# KiCad board FrontEnd_5G.kicad_pcb (continued)
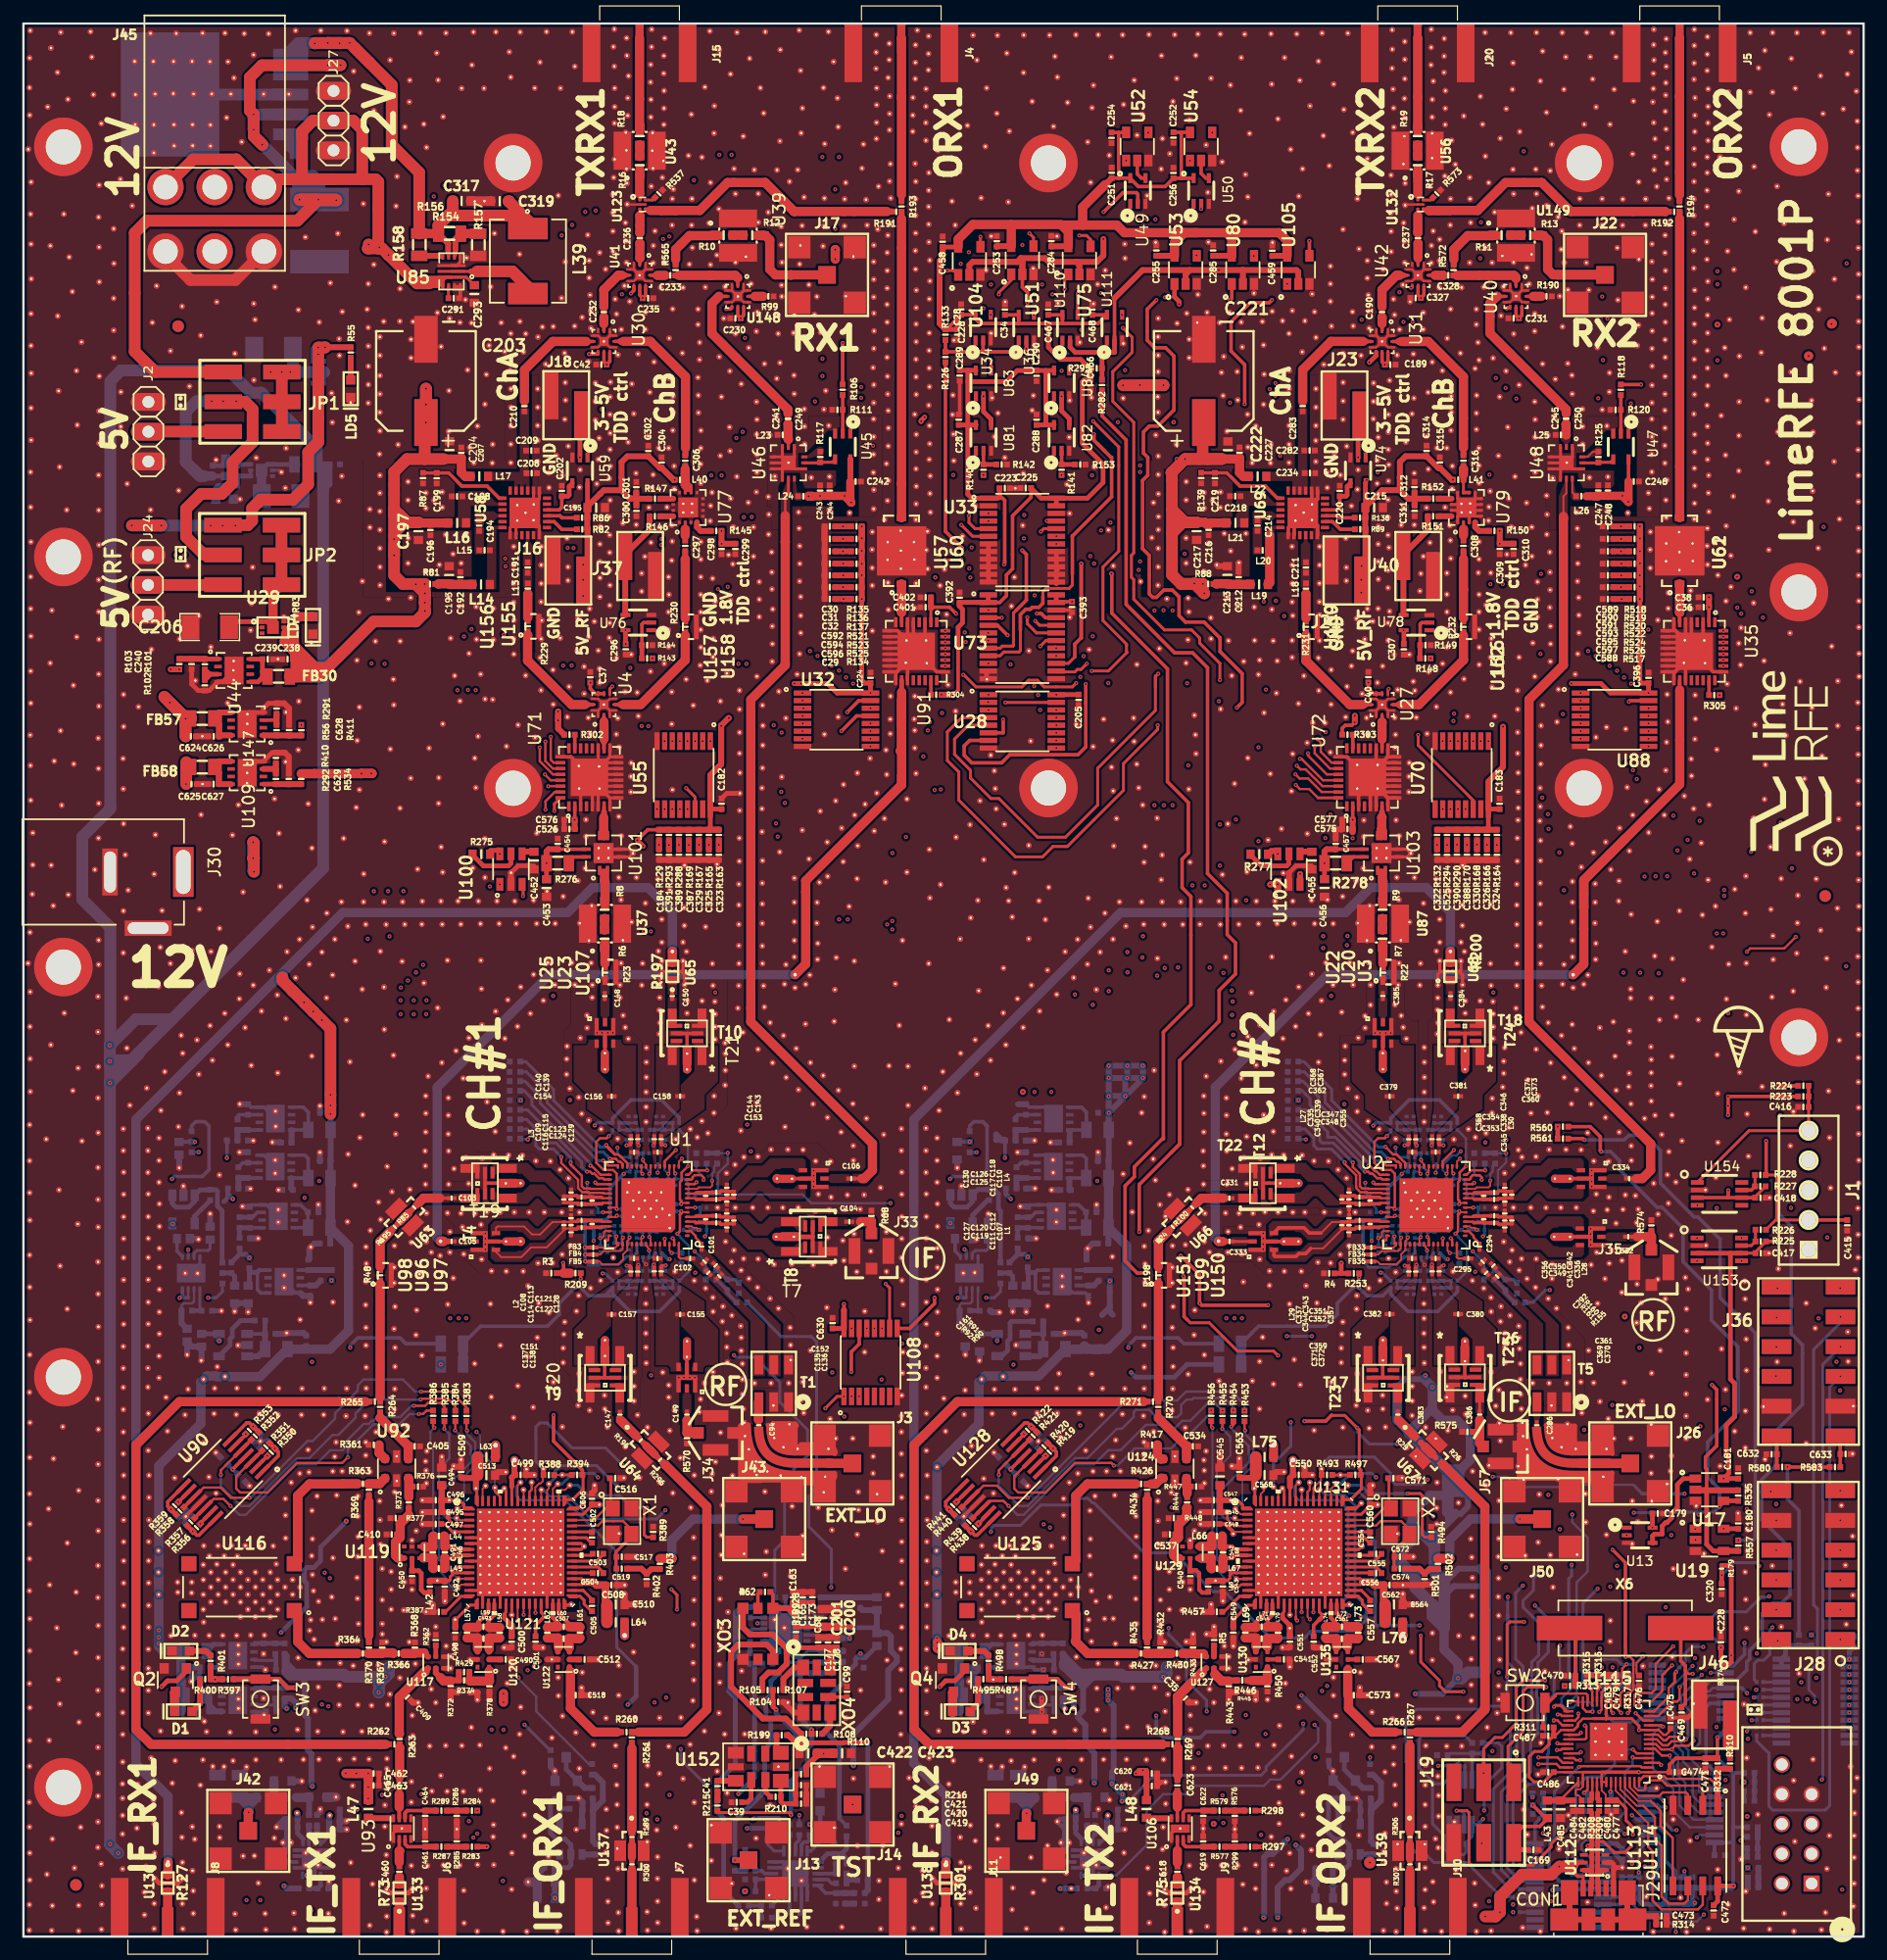
[diagram p0: board, top side]
## Routing (per net, layer and track width the routed paths; a pad name or vN(x,y) marks a point on that pad's centre or on a via; arc(x,y) is an arc through that point) (continued)
  B.FR4 w0.25: v1(82.39,110.61) 82.39,110.61 ; 91.31,111.2 v1(91.31,110.97)
  B.FR4 w0.3: v1(91.43,117.18) 91.31,117.06 91.31,111.2 ; 100.3,138.45 100.97,137.78 100.97,137.17 100.42,136.62 100.42,133.58 100.07,133.23 100.07,126 98.41,124.34 98.41,119.03 99.16,118.28 v1(99.16,118.01) ; 100.3,138.45 100.3,138.47 ; 100.3,138.45 100.3,139.14 99.34,140.1 99.34,142.64 v1(100.17,143.47)
/RF/DA2_A_ON\off_5V: length 43.9
  F.RO w0.3: 113.99,129.32 114,129.31 ; 88.09,110.05 88.06,110.02
  F.RO w0.4: 114,129.31 113.96,129.28 v1(113.96,126.24)
  F.FR4 w0.25: 111.46,110.88 111.09,111.25 104.48,111.25 ; 104.48,111.25 104.47,111.25 ; 104.48,111.25 99.1,111.25 98.94,111.09 95.29,111.09 94.55,110.35 90.28,110.35 90.12,110.51 88.74,110.51 v1(88.19,109.96)
  F.FR4 w0.4: v1(111.46,110.84) 111.46,110.88
  B.FR4 w0.25: v1(88.19,109.96) 88.19,109.95
  B.FR4 w0.4: 112.06,117.61 112.06,119.66 112.56,120.16 112.56,123.49 113.38,124.31 113.38,125.54 113.96,126.12 v1(113.96,126.24) ; 112.06,117.61 112.06,117.41 ; 112.06,117.61 112.06,111.44 v1(111.46,110.84)
/RF/DA2_A_SEL: length 70.4
  F.RO w0.2: v1(116.58,106.48) 116.52,106.42 116.52,106.06
  F.FR4 w0.2: 99.54,99.95 101.13,99.95 104.68,103.5 106.24,103.5 107.36,104.62 109.11,104.62 109.91,105.42 110.61,105.42 111.35,106.16 112.56,106.16 113.35,105.37 114.84,105.37 115.95,106.48 v1(116.58,106.48)
  F.FR4 w0.25: 92.63,133.65 92.66,133.68 v1(94.07,133.68)
  F.FR4 w0.3: v1(92.63,106.98) 92.72,107.07 99.26,107.07 v1(99.37,106.96) ; 100.53,99.95 v1(99.47,99.95) ; v1(89.3,133.65) 92.63,133.65
  B.FR4 w0.25: v1(92.63,106.98) 93.65,108 ; 94.08,133.69 v1(94.07,133.68)
  B.FR4 w0.3: 99.47,99.96 v1(99.47,99.95) 99.47,102.91 99.38,103 99.38,106.95 v1(99.37,106.96) ; v1(92.63,106.98) 93.65,108 93.65,117.46 94.13,117.94 94.13,129.97 92.99,131.11 92.99,132.74 93.29,133.04 93.43,133.04 94.08,133.69
/RF/DA2_A_SELn: length 38.3
  F.RO w0.2: U31.7 115.52,135.03
  F.RO w0.3: v1(88.65,133.62) 88.66,133.62
  F.RO w0.4: v1(88.65,131.45) 88.65,130.2 89.3,129.55 U82.4 ; v1(114.93,134.35) 115.52,134.94 U31.7
  F.FR4 w0.3: v1(114.27,137.99) 110.71,137.99 108.95,136.23 107.77,136.23 105.73,134.19 95.92,134.19 95.25,134.86 89.55,134.86 88.65,133.96 v1(88.65,133.62)
  B.FR4 w0.3: v1(88.65,131.45) v1(88.65,133.62)
  B.FR4 w0.4: v1(114.27,137.99) 114.27,136.67 114.93,136.01 v1(114.93,134.35)
/RF/DA2_ATT_D0_3V3: length 35
  F.RO w0.2: 110.54,97.18 109.79,97.93 109,97.93 v1(108.65,98.28)
  F.RO w0.25: U72.32 110.54,97.18
  F.RO w0.5: R164.1 v1(125.82,93.16) C324.2
  F.FR4 w0.25: v1(108.65,98.28) 109.34,98.28 110.44,97.18 U72.32 113.15,97.18 113.65,96.68 118.87,96.68 120.86,98.67 122.94,98.67 125.1,100.83 v1(125.1,102.02)
  B.FR4 w0.25: 125.1,102.02 v1(125.1,102.02) 127,100.12 127,94.34 v1(125.82,93.16)
/RF/DA2_ATT_D1_3V3: length 34.6
  F.RO w0.2: v1(108.61,99.19) 108.97,98.83 109.71,98.83 110.86,97.68 U72.31
  F.RO w0.5: R166.1 v1(124.97,93.17) C326.2
  F.FR4 w0.25: v1(124.45,102.02) 124.45,101.09 122.48,99.12 120.66,99.12 118.63,97.09 117.93,97.09 117.65,97.37 113.73,97.37 113.41,97.68 U72.31 110.66,97.68 109.52,98.82 108.98,98.82 v1(108.61,99.19)
  B.FR4 w0.2: 126.3,98.32 124.44,100.18 124.44,102.03
  B.FR4 w0.25: 124.45,102.02 v1(124.45,102.02) 124.44,102.03 ; 126.3,98.32 126.3,94.5 v1(124.97,93.17)
/RF/DA2_ATT_D2_3V3: length 33.4
  F.RO w0.2: v1(108.73,99.93) 109.05,99.61 109.49,99.61 110.92,98.18 U72.30
  F.RO w0.5: R168.1 v1(124.12,93.18) C330.2
  F.FR4 w0.25: v1(108.73,99.93) 109.19,99.47 109.74,99.47 110.89,98.32 111.73,98.32 111.98,98.57 117.55,98.57 117.76,98.36 119.04,98.36 120.31,99.63 122.3,99.63 123.8,101.12 v1(123.8,102.02)
  B.FR4 w0.2: 125.61,97.86 123.75,99.72 123.75,102.06
  B.FR4 w0.25: 123.79,102.02 v1(123.8,102.02) 123.75,102.06 ; 125.61,97.86 125.61,94.67 v1(124.12,93.18)
/RF/DA2_ATT_D3_3V3: length 31.5
  F.RO w0.2: v1(109,100.51) 109.14,100.51 110.97,98.68 U72.29
  F.RO w0.5: R170.1 v1(123.26,93.17) C388.2
  F.FR4 w0.25: v1(123.14,102.02) 123.14,101.39 121.97,100.21 119.62,100.21 118.98,99.57 116.87,99.57 116.3,99 111.13,99 110.04,100.09 109.42,100.09 v1(109,100.51)
  B.FR4 w0.2: 124.94,97.41 123.2,99.15 123.2,101.97
  B.FR4 w0.25: 123.15,102.02 v1(123.14,102.02) 123.2,101.97 ; 124.94,97.41 124.94,94.85 v1(123.26,93.17)
/RF/DA2_ATT_D4_3V3: length 30.1
  F.RO w0.2: v1(109.69,100.98) 109.69,100.79 111.3,99.18 U72.28
  F.RO w0.5: R290.1 v1(122.41,93.18) C390.2
  F.FR4 w0.2: 119,100.82 119,100.81 121.96,100.81 122.53,101.38 122.53,102.06
  F.FR4 w0.25: 122.53,102.06 v1(122.49,102.02) ; 119,100.82 118.24,100.82 117.72,100.3 116.78,100.3 115.97,99.49 113.29,99.49 113.05,99.73 111.63,99.73 110.38,100.98 v1(109.69,100.98)
  B.FR4 w0.2: 120.02,97.3 122.49,99.78 v1(122.49,102.02)
  B.FR4 w0.25: v1(122.49,102.02) 122.49,102.02 ; 120.02,97.3 120.02,95.57 v1(122.41,93.18)
/RF/DA2_ATT_D5_3V3: length 27.3
  F.RO w0.2: v1(110.26,101.59) 110.26,100.99 111.57,99.68 U72.27
  F.RO w0.5: R294.1 v1(121.56,93.16) C525.2
  F.FR4 w0.2: 119.27,101.39 121.62,101.39 121.85,101.62 v1(121.85,102.02)
  F.FR4 w0.25: 119.27,101.39 118.14,101.39 117.6,100.85 116.78,100.85 116.51,101.12 112.28,101.12 111.81,101.59 v1(110.26,101.59)
  B.FR4 w0.2: 119.47,97.65 121.85,100.03 v1(121.85,102.02)
  B.FR4 w0.25: v1(121.85,102.02) 121.85,102.02 ; 119.47,97.65 119.47,95.25 v1(121.56,93.16)
/RF/DA2_ATT_D6_3V3: length 25.2
  F.RO w0.2: v1(110.49,102.19) 110.78,101.9 110.78,101.11 111.71,100.18 U72.26
  F.RO w0.5: R132.1 120.71,93.16 v1(120.71,93.17) C322.2
  F.FR4 w0.25: v1(110.49,102.19) 113.97,102.19 114.14,102.02 v1(121.2,102.02)
  B.FR4 w0.25: 121.2,102.02 v1(121.2,102.02) 118.88,99.71 118.88,95 v1(120.71,93.17)
/RF/DA2_B/RF_IN: length 5.8
  F.RO w0.5: 122.96,117.56 C308.2
  F.RO w0.79: 122.96,114.97 122.96,117.56 ; 122.97,114.96 U162.2 ; 122.96,114.97 122.96,114.91
/RF/DA2_B/RF_OUT: length 26.6
  F.RO w0.3: U31.11 117.39,136.12
  F.RO w0.5: 120.3,135.79 122.96,133.12 122.96,127.83 ; 120.3,135.79 119.95,136.12 ; 120.3,135.79 119.95,136.13 117.4,136.13 117.39,136.12 117.67,136.12 ; 122.96,127.06 C316.1
  F.RO w0.79: 122.96,127.06 122.96,133.12 119.95,136.12 117.67,136.12
/RF/DA2_B_EN_3V3: length 63.1
  F.RO w0.3: v1(103.03,139.65) 103.04,139.65 103.18,139.79 U80.1
  F.FR4 w0.25: 84.22,104.68 v1(82.4,104.68) 84.22,104.68 ; 84.22,104.68 84.27,104.68 84.73,105.14 ; 84.73,105.14 84.95,105.36 ; 84.73,105.14 84.95,105.36 ; 84.95,105.36 85.58,105.36 ; 84.95,105.36 85.58,105.36 ; 85.58,105.36 87.21,105.36 87.34,105.23 90.14,105.23
  F.FR4 w0.3: 89.8,105.23 91.78,105.23 92.19,104.82 96.18,104.82 96.79,105.43 v1(102.08,105.43)
  B.FR4 w0.3: 100.12,122.35 100.12,123.93 101.03,124.84 101.03,135.59 101.58,136.14 101.58,137.29 101.56,137.31 101.56,138.09 101.94,138.47 101.94,138.81 102.78,139.65 v1(103.03,139.65) ; 100.12,122.35 100.12,122.17 ; 100.12,122.35 100.12,118.1 101.56,116.66 101.56,116.38 102.04,115.9 102.04,110.02 103.96,108.1 103.96,107.31 v1(102.08,105.43)
/RF/DA2_B_ON\off_3V3: length 54.9
  F.RO w0.25: v1(105.06,143.43) 105.07,143.44 U80.4 ; U73.8 83.4,109.96 83.58,110.13 84.48,110.13 84.54,110.19 84.54,112.95 84.75,113.16
  F.RO w0.3: 85.29,118.31 v1(85.29,118.3) 85.64,117.95 85.64,114.05 84.75,113.16
  F.FR4 w0.25: 88.69,118.3 89.71,119.32 92.74,119.32 95,121.58 96.08,121.58 ; 96.08,121.58 96.11,121.58 ; 96.08,121.58 96.33,121.58 96.57,121.82 99.66,121.82 100.27,121.21 102.81,121.21 v1(103.39,121.79)
  F.FR4 w0.3: v1(85.29,118.3) 88.69,118.3
  B.FR4 w0.25: v1(103.39,121.79) 103.36,121.82 103.36,124.36 101.61,126.11 101.61,135.16 103.13,136.68 103.13,137.77 104.06,138.7 104.06,142.43 v1(105.06,143.43)
  B.FR4 w0.3: v1(85.29,118.3) 85.29,118.31
/RF/DA2_B_ON\off_5V: length 35.9
  F.FR4 w0.25: 113.28,109.08 116.31,109.08 116.67,108.72 118.8,108.72 119.17,109.09 v1(120.15,109.09) ; 113.28,109.08 113.27,109.07 ; 113.28,109.08 111.53,109.08 110.89,108.44 108.36,108.44 108.21,108.29 104.91,108.29 104.8,108.18 100.3,108.18 100.13,108.01 98.84,108.01 98.21,108.64 96.38,108.64 95.75,108.01 92.42,108.01 91.91,107.5 v1(90.25,107.5) ; v1(88.19,109.31) 90.49,109.31 v1(90.53,109.27)
  B.FR4 w0.25: v1(120.15,109.09) 120.16,109.09 ; v1(88.19,109.31) 88.19,109.31 ; v1(90.25,107.5) 90.26,107.49 89.93,107.82 89.93,108.67 v1(90.53,109.27)
/RF/DA2_CPL_OUT: length 25.6
  F.RO w0.25: 120.15,147.29 119.67,147.29 119.52,147.44 U132.4 119.92,147.44 120.05,147.31
  F.RO w0.5: R192.2 140.19,147.2
  F.RO w0.79: 121.81,147.31 120.05,147.31 ; 121.81,147.31 124.18,147.31 126.56,149.69 129.65,149.69 132.12,147.22 140.17,147.22 140.19,147.2 ; 121.81,147.31 120.05,147.31 ; 120.05,147.31 120.03,147.29
/RF/LNA1/RF_in: length 13.6
  F.RO w0.3: U39.5 59.39,139.98
  F.RO w0.79: C241.1 65.29,130.31 58.8,136.81 58.8,139.38 59.39,139.98
/RF/LNA1_EN_3V3: length 111.6
  F.RO w0.25: v1(96.85,103.38) 96.85,103.02 93.93,100.1 93.93,97.82 89.14,93.03 87.91,93.03 87.02,92.14 84.71,92.14 79.87,96.98 79.87,99.39 78.89,100.37 78.89,102.8 80.12,104.03 U28.4 ; 96.14,116.21 96.14,116.24
  F.RO w0.3: v1(96.74,139.66) 95.96,138.88 95.96,136.23 96.6,135.59 97.53,135.59 98.24,134.88 98.24,130.28 96.87,128.91 96.14,128.91 95.64,128.41 95.64,126.6 96.01,126.23 96.01,124.71 95.56,124.26 95.56,118.45 96.14,117.87 96.14,114.59 96.44,114.29 96.75,114.29 97.37,114.91 98.11,114.91 98.68,114.34 98.68,112.73 99.23,112.18 100.82,112.18 102.18,110.82 102.18,110.77 102.18,110.8 102.18,109.67 104.07,107.78 104.07,105.33 v1(103.62,104.88)
  F.FR4 w0.3: 102.12,103.38 103.36,104.62 ; 102.12,103.38 v1(96.85,103.38) ; 102.12,103.38 v1(103.62,104.88)
  B.FR4 w0.25: v1(94.16,151.57) 94.15,151.58 94.15,152.37 94.55,152.77 99.96,152.77 100.86,151.87 100.86,150.76 97.52,147.42 97.52,141.66 96.74,140.88 v1(96.74,139.66)
/RF/LNA1_ON\off_3V3: length 79.4
  F.RO w0.25: 89.57,116.27 89.57,115.34 89.28,115.05 87.33,115.05 87.05,114.77 87.05,114.35 ; 85.13,111.49 85.13,109.74 85.02,109.63 83.72,109.63 83.39,109.31 U73.9
  F.RO w0.3: 89.57,116.27 89.57,119.52 ; 89.57,119.52 89.57,119.49 ; 89.57,119.52 92.92,122.87 92.92,126.23 92.88,126.23 92.31,126.8 ; 92.31,126.8 91.72,127.39 ; 92.31,126.8 91.41,127.7 91.41,128.21 v1(91.39,128.23) ; v1(106.61,139.67) 106.38,139.44 104.75,139.44 103.12,137.81 103.12,135.31 104.28,134.15 v1(104.28,130.78) ; v1(96.04,153.95) U52.4 ; 85.13,111.49 85.13,112.82 85.59,113.28 85.98,113.28 86.14,113.44 86.71,113.44 87.05,113.78 87.05,114.35
  F.FR4 w0.3: v1(104.28,130.78) 103.54,130.04 97.82,130.04 97.3,129.52 95.08,129.52 94.65,129.95 93.11,129.95 v1(91.39,128.23)
  B.FR4 w0.3: v1(104.28,130.78) 104.29,130.79 104.29,130.8 ; v1(96.04,153.95) 97.68,155.59 101.9,155.59 106.85,150.64 106.85,147.56 107.83,146.58 107.83,143.6 106.85,142.62 106.85,139.91 v1(106.61,139.67)
/RF/LNA1_ON\off_5V: length 62.7
  F.RO w0.25: 89.78,109.21 89.23,108.66 U73.15
  F.RO w0.3: v1(69.96,136) 69.95,135.99 R106.1 ; 89.78,109.21 89.78,110.3 90.32,110.84 ; 90.32,110.84 90.33,110.85 v1(90.33,117.17) 90.32,117.16 90.32,110.84
  F.FR4 w0.3: 78.13,137.49 76.99,137.49 76.38,136.88 75.86,136.88 75.72,137.02 73.52,137.02 72.88,136.38 72.55,136.38 72.17,136 v1(69.96,136) ; 78.13,137.49 78.14,137.48 ; 78.13,137.49 83.34,137.49 83.72,137.11 90.34,137.11 v1(90.33,137.12)
  B.FR4 w0.25: 90.74,133.51 90.54,133.31 ; 90.33,137.04 90.74,136.63
  B.FR4 w0.3: v1(69.96,136) 69.96,135.99 ; 90.33,137.04 v1(90.33,137.12) ; 90.74,136.63 90.74,133.51 ; 90.54,133.31 90.54,130.66 90.74,130.46 90.74,125.32 90.33,124.91 90.33,122.69 90.55,122.47 90.55,119.98 90.33,119.76 v1(90.33,117.17) 90.33,118.08
/RF/LNA2/RF_in: length 14.6
  F.RO w0.3: U40.5 125.98,139.98
  F.RO w0.4: 125.4,139.4 125.23,139.4 125.81,139.98 ; 125.98,139.98 125.84,139.98
  F.RO w0.79: 125.84,139.98 125.81,139.98 125.23,139.4 125.23,136.82 131.74,130.31 C245.1
/RF/LNA2_EN_3V3: length 97
  F.RO w0.25: 96.66,106.66 96.66,104.64 91.73,99.71 91.73,96.57 88.98,93.82 86.6,93.82 83.3,97.12 82.62,97.12 80.87,98.87 80.87,99.53 79.51,100.89 79.51,102.2 80.69,103.38 U28.5 ; 96.66,106.66 96.66,107.58 ; 96.66,106.66 96.66,107.54 v1(96.9,107.78) ; v1(99.61,151.56) U54.1 ; v1(93.88,137.28) 94.67,136.49 94.67,135.2 93.02,133.55 93.02,131.02 94.81,129.23 94.81,118.08 94.61,117.88 94.61,116 94.81,115.8 94.81,114.13 97.43,111.51 99.75,111.51 100.44,110.82 100.44,110.38 102.17,108.65 v1(102.17,107.25)
  F.FR4 w0.25: v1(102.17,107.25) 101.84,107.25 101.56,107.53 98.18,107.53 97.93,107.78 v1(96.9,107.78)
  B.FR4 w0.25: v1(99.61,151.56) 96.28,151.56 93.32,148.6 93.32,140.11 94.41,139.02 94.41,137.89 93.88,137.36 v1(93.88,137.28)
/RF/LNA2_ON\off_3V3: length 74.5
  F.RO w0.25: 94.23,109.59 94.18,109.64 ; 94.23,109.59 92.65,108.01 v1(91.22,108.01) ; 94.23,109.59 94.18,109.64 ; 94.18,109.64 94.19,109.63 94.19,110.2 ; 94.19,110.2 94.19,110.25 ; 94.19,110.2 94.19,110.3 92.18,112.31 92.18,116.88 93.53,118.23 93.53,127.13 91.32,129.34 v1(91.35,129.31) ; v1(101.51,153.96) U54.4
  F.FR4 w0.25: v1(103.03,130.91) 102.84,130.72 92.76,130.72 v1(91.35,129.31) ; 87.1,109.13 87.1,109.14 87.1,109.13 ; 87.1,109.13 86.87,109.13 ; v1(82.39,108.66) 83.58,108.66 84.05,109.13 86.87,109.13 ; 86.87,109.13 87.46,109.13 88.3,108.29 90.25,108.29 90.53,108.01 v1(91.22,108.01)
  B.FR4 w0.25: v1(101.51,153.96) 102.21,153.96 105.89,150.28 105.89,138.86 104.99,137.96 104.99,137.49 103.03,135.53 v1(103.03,130.91)
  B.FR4 w0.5: v1(82.39,108.66) 82.39,108.66
/RF/LNA2_ON\off_5V: length 77.5
  F.RO w0.25: v1(90.8,108.63) 90.31,108.14 89.99,108.14 89.78,107.93 88.27,107.93 U73.14
  F.RO w0.3: R118.1 136.41,132.45 v1(138.13,132.45)
  F.FR4 w0.3: 111.47,109.98 103.71,109.98 103.1,109.37 95.08,109.37 94.34,108.63 v1(90.8,108.63) ; 111.47,109.98 111.48,109.99 ; 111.47,109.98 112.7,109.98 113.11,110.39 113.89,110.39 114.34,109.94 115,109.94 ; 115,109.94 114.91,109.94 ; 115,109.94 117.8,109.94 118.01,110.15 120.6,110.15 121.16,110.71 124.38,110.71 125.27,111.6 129.49,111.6 130,111.09 131.87,111.09 132.56,110.4 135.92,110.4 137.08,111.56 138.73,111.56 v1(138.75,111.54)
  B.FR4 w0.3: v1(138.13,132.45) 138.13,124.86 139.66,123.33 139.66,115.79 138.75,114.88 138.75,112.36 138.75,112.49 v1(138.75,111.54)
/RF/ORX1_ATT_D0_3V3: length 30.8
  F.RO w0.2: 66.03,106.12 v1(66.53,106.12)
  F.RO w0.5: R135.1 v1(69.98,120.35) C30.2
  F.FR4 w0.2: v1(67.17,109.71) 67.72,110.26 74.25,110.26 75.43,111.44 v1(78.71,111.44)
  B.FR4 w0.2: v1(78.71,111.44) 78.72,111.44 ; v1(66.53,106.12) 66.53,106.33 66.65,106.45 66.86,106.45 66.99,106.59 66.99,106.58 67.17,106.75 v1(67.17,109.71) 67.17,112.16 66.89,112.43 66.89,118.41 68.83,120.35 v1(69.98,120.35)
/RF/ORX1_ATT_D1_3V3: length 29.5
  F.RO w0.2: v1(66.53,105.49) U32.2
  F.RO w0.5: R136.1 v1(69.99,119.28) C31.2
  F.FR4 w0.2: v1(78.71,110.94) 77.64,110.94 77.49,111.09 76.68,111.09 75.59,110 74.58,110 74.43,109.85 68.37,109.85 v1(67.81,109.29)
  B.FR4 w0.2: v1(78.71,110.94) 78.72,110.94 ; v1(66.53,105.49) 66.68,105.49 66.99,105.8 66.99,105.74 67.38,106.13 67.38,106.34 67.81,106.77 v1(67.81,109.29) 67.81,112.37 67.37,112.81 67.37,117.63 69.02,119.28 v1(69.99,119.28)
/RF/ORX1_ATT_D2_3V3: length 28.4
  F.RO w0.2: v1(66.61,104.82) 66.61,104.83 U32.3
  F.RO w0.5: R137.1 v1(69.98,118.22) C32.2
  F.FR4 w0.2: v1(78.71,110.44) 78.07,110.44 77.68,110.05 76.57,110.05 76.13,109.61 74.78,109.61 74.57,109.4 68.9,109.4 v1(68.4,108.9)
  B.FR4 w0.2: v1(78.71,110.44) 78.71,110.44 ; v1(66.61,104.82) 67.19,104.82 67.25,104.88 67.25,105.46 68.4,106.61 v1(68.4,108.9) 68.4,112.84 67.87,113.37 67.87,116.75 69.34,118.22 v1(69.98,118.22)
/RF/ORX1_ATT_D3_3V3: length 27.6
  F.RO w0.3: 70.68,117.17 R521.1
  F.RO w0.5: 70.68,117.17 v1(70,117.17) C592.2
  F.FR4 w0.2: 74.86,108.9 75.15,109.19 76.34,109.19 76.79,109.64 77.81,109.64 78.11,109.94 v1(78.71,109.94) ; 74.86,108.9 69.46,108.9 v1(69.01,108.45) ; 74.86,108.9 74.86,108.88 74.86,108.9
  B.FR4 w0.2: v1(78.71,109.94) 78.71,109.94 ; 66.54,104.23 67.39,104.23 67.66,104.49 67.66,105.31 68.71,106.36 68.71,106.35 69.01,106.65 v1(69.01,108.45) 69.01,113.07 68.49,113.59 68.49,116.27 69.39,117.17 v1(70,117.17) ; 66.54,104.23 66.58,104.23 v1(66.53,104.18) 66.54,104.19 66.54,104.23
  B.FR4 w0.25: v1(66.53,104.18) 66.53,104.17
/RF/ORX1_ATT_D4_3V3: length 26.6
  F.RO w0.2: v1(66.54,103.54) 66.53,103.53
  F.RO w0.5: R523.1 v1(70,116.17) C594.2
  F.FR4 w0.2: v1(69.64,108.04) 75.81,108.04 76.96,109.2 77.83,109.2 78.08,109.44 v1(78.71,109.44)
  B.FR4 w0.2: 66.53,103.53 v1(66.54,103.54) 67.4,103.54 68.12,104.26 68.12,105.12 69.36,106.36 69.36,106.35 69.64,106.63 v1(69.64,108.04) 69.64,113.17 68.93,113.88 68.93,115.79 C594.2 v1(70,116.17) ; v1(78.71,109.44) 78.71,109.44
  B.FR4 w0.25: 66.53,103.53 66.53,103.53
/RF/ORX1_ATT_D5_3V3: length 25.4
  F.RO w0.5: R525.1 v1(69.99,115.16) C596.2
  F.FR4 w0.2: v1(70.24,107.46) 76.64,107.46 78.12,108.94 v1(78.71,108.94)
  B.FR4 w0.2: v1(66.53,102.88) 66.53,102.88 v1(66.53,102.88) ; v1(66.53,102.88) 66.55,102.88 ; v1(66.53,102.88) 66.55,102.88 ; v1(69.99,115.16) 69.41,114.58 69.41,114.06 70.24,113.23 v1(70.24,107.46) 70.24,106.58 69.83,106.17 69.83,106.18 68.52,104.87 68.52,104.08 67.31,102.88 66.55,102.88 ; v1(78.71,108.94) 78.71,108.94
  B.FR4 w0.25: v1(66.53,102.88) 66.53,102.88
/RF/ORX1_ATT_D6_3V3: length 26.4
  F.RO w0.5: v1(70.03,114.15) R134.1 v1(70.03,114.15) ; v1(70.03,114.15) C29.2
  F.FR4 w0.2: v1(70.84,106.93) 76.69,106.93 78.2,108.44 v1(78.71,108.44)
  B.FR4 w0.2: v1(78.71,108.44) 78.71,108.44 ; 67.21,102.23 67.28,102.23 68.9,103.85 68.9,104.59 70.24,105.94 70.24,105.94 70.84,106.54 v1(70.84,106.93) 70.84,113.34 v1(70.03,114.15) ; 67.21,102.23 v1(66.53,102.23) ; 67.21,102.23 v1(66.53,102.23) ; 67.21,102.23 v1(66.53,102.23)
  B.FR4 w0.25: v1(66.53,102.23) 66.53,102.22
  B.FR4 w0.5: v1(70.03,114.15) 70.02,114.15
/RF/ORX2_ATT_D0_3V3: length 30.5
  F.RO w0.5: R518.1 v1(136.42,120.35) C589.2
  F.FR4 w0.2: v1(133.61,109.71) 133.64,109.71 133.94,110.01 135.08,110.01 135.38,109.71 140.14,109.71 141.87,111.44 v1(145.15,111.44)
  B.FR4 w0.2: 132.97,106.12 v1(132.97,106.12) 133.61,106.77 v1(133.61,109.71) 133.61,112.15 133.33,112.43 133.33,118.41 135.27,120.35 v1(136.42,120.35) ; 145.15,111.44 v1(145.15,111.44)
/RF/ORX2_ATT_D1_3V3: length 29.6
  F.RO w0.5: R519.1 v1(136.43,119.28) C590.2
  F.FR4 w0.2: v1(134.25,109.29) 134.27,109.29 134.27,109.36 134.58,109.67 134.96,109.67 135.24,109.39 136.5,109.39 136.6,109.29 140.31,109.29 141.02,110 142.03,110 143.12,111.09 143.93,111.09 144.08,110.94 v1(145.15,110.94)
  B.FR4 w0.2: 132.97,105.48 v1(132.97,105.48) 134.25,106.75 v1(134.25,109.29) 134.25,112.37 133.81,112.81 133.81,117.63 135.46,119.28 v1(136.43,119.28) ; v1(145.15,110.94) 145.15,110.94
/RF/ORX2_ATT_D2_3V3: length 28.2
  F.RO w0.5: R520.1 v1(136.42,118.22) C591.2
  F.FR4 w0.2: v1(145.15,110.44) 144.51,110.44 144.12,110.05 143.01,110.05 142.57,109.61 141.22,109.61 140.86,109.25 140.86,109.24 140.47,108.85 136.53,108.85 136.32,109.06 135,109.06 v1(134.84,108.9)
  B.FR4 w0.2: 132.97,104.82 v1(132.97,104.83) 133.06,104.83 134.84,106.61 v1(134.84,108.9) 134.84,112.84 134.31,113.37 134.31,116.75 135.78,118.22 v1(136.42,118.22) ; 145.15,110.44 v1(145.15,110.44)
/RF/ORX2_ATT_D3_3V3: length 27.2
  F.RO w0.2: v1(132.97,104.18) U88.4
  F.RO w0.5: R522.1 137.12,117.17 136.44,117.17 v1(136.45,117.17) C593.2
  F.FR4 w0.2: v1(145.15,109.94) 144.55,109.94 144.25,109.64 143.23,109.64 142.78,109.19 141.59,109.19 140.85,108.45 136.48,108.45 136.2,108.73 135.73,108.73 v1(135.45,108.45)
  B.FR4 w0.2: v1(145.15,109.94) 145.16,109.94 ; v1(132.97,104.18) 132.98,104.18 135.45,106.65 v1(135.45,108.45) 135.45,113.07 134.93,113.59 134.93,116.27 135.83,117.17 v1(136.45,117.17)
/RF/ORX2_ATT_D4_3V3: length 26.2
  F.RO w0.5: R524.1 v1(136.44,116.17) C595.2
  F.FR4 w0.2: 142.79,108.58 142.24,108.03 v1(136.08,108.03) ; 142.79,108.58 142.82,108.61 ; 142.79,108.58 143.4,109.19 144.27,109.19 144.52,109.44 v1(145.15,109.44)
  B.FR4 w0.2: 132.97,103.52 v1(132.97,103.53) 132.97,103.53 136.08,106.64 v1(136.08,108.03) 136.08,113.17 135.37,113.88 135.37,115.79 C595.2 v1(136.44,116.17) ; v1(145.15,109.44) 145.15,109.44
/RF/ORX2_ATT_D5_3V3: length 24.9
  F.RO w0.5: R526.1 v1(136.42,115.16) C597.2
  F.FR4 w0.2: v1(136.68,107.45) 136.69,107.46 143.08,107.46 144.56,108.94 v1(145.15,108.94)
  B.FR4 w0.2: 132.97,102.88 v1(132.97,102.88) 132.97,102.88 ; 132.97,102.88 136.68,106.59 v1(136.68,107.45) 136.68,113.23 135.85,114.06 135.85,114.58 136.42,115.15 v1(136.42,115.16) ; 145.15,108.94 v1(145.15,108.94)
/RF/ORX2_ATT_D6_3V3: length 23.9
  F.RO w0.5: R517.1 v1(136.47,114.15) C588.2
  F.FR4 w0.2: v1(145.15,108.44) 144.64,108.44 143.13,106.93 v1(137.28,106.93)
  B.FR4 w0.2: 132.97,102.22 v1(132.97,102.23) 132.97,102.23 137.28,106.54 v1(137.28,106.93) 137.28,113.34 v1(136.47,114.15) ; v1(145.15,108.44) 145.15,108.44
/RF/PDA1/RF_IN: length 4
  F.RO w0.3: 49.88,90.98 49.22,90.98 49.62,90.58 49.62,90.73 49.88,90.98
  F.RO w0.79: 49.62,90.58 49.62,90.11 49.6,90.09 49.66,90.03 U37.3
/RF/PDA1/RF_OUT: length 4
  F.RO w0.3: 49.55,94.28 49.88,93.95 ; U71.7 49.58,95.96 ; U101.6 U101.5
  F.RO w0.5: 49.55,95.51 49.58,95.54 49.58,95.96
  F.RO w0.79: 49.55,95.51 49.55,93.95 49.55,94.28
/RF/PDA1_EN_3V3: length 48.3
  F.RO w0.25: v1(78.71,117.48) 78.72,117.49 v1(80.09,117.49) ; U104.1 79.45,142.18 v1(78.88,142.18)
  F.RO w0.3: v1(83.66,103.86) 83.66,102.75 83.64,102.73 U28.6
  B.FR4 w0.25: v1(78.71,117.48) 78.71,142.01 v1(78.88,142.18) ; v1(80.09,117.49) 81.69,117.49 82.23,116.95 82.23,114.63 83.07,113.79 83.07,112.93 81.77,111.63 81.77,111.43 81.79,111.43 81.79,109.84 81.17,109.22 81.17,104.54 81.85,103.86 v1(83.66,103.86)
/RF/PDA1_ON\off_3V3: length 39.8
  F.RO w0.25: v1(81.72,145.07) U104.4
  F.RO w0.3: v1(77.87,115.98) 77.84,116.01
  F.FR4 w0.25: v1(80.86,115.98) v1(77.87,115.98)
  B.FR4 w0.25: 78.22,120.81 78.22,130.14 78.02,130.34 78.02,143.54 79.85,145.37 81.42,145.37 v1(81.72,145.07) ; 82.39,113.2 82.39,113.21 v1(82.39,113.21) 82.14,113.21 80.86,114.49 v1(80.86,115.98)
  B.FR4 w0.3: v1(77.87,115.98) 77.98,116.1 77.98,120.57 78.22,120.81
  B.FR4 w0.4: v1(80.86,115.98) 80.86,115.98
/RF/PDA1_ON\off_5V: length 77.7
  F.RO w0.25: v1(41.03,111.11) 41.04,111.1 41.04,111.08 ; U100.3 42.67,89.71 v1(42.67,88.8)
  F.RO w0.3: v1(86.53,112.91) 86.91,112.91 87.27,112.56 U73.21 ; 42.58,90.1 42.59,90.11
  F.FR4 w0.25: 60.74,111.86 63.2,111.86 63.83,112.49 64.57,112.49 65,112.06 67.05,112.06 67.26,112.27 73.95,112.27 74.55,112.87 78.08,112.87 78.76,113.55 79.32,113.55 80.11,114.34 85.03,114.34 ; 60.74,111.86 60.71,111.86 ; 60.74,111.86 58.79,111.86 58.45,112.2 51.79,112.2
  F.FR4 w0.3: v1(41.03,111.11) 41.44,111.52 50.46,111.52 51.14,112.2 51.79,112.2 ; 85.03,114.34 86.23,114.34 v1(86.35,114.46)
  B.FR4 w0.25: 37.64,97 42.67,91.97 v1(42.67,88.8) ; v1(41.03,111.11) 41.03,104.69
  B.FR4 w0.3: 41.03,104.69 41.03,103.68 39.96,102.61 39.96,100.72 37.77,98.53 37.77,97.13 37.64,97 ; v1(86.35,114.46) 86.35,113.09 v1(86.53,112.91)
/RF/PDA2/RF_IN: length 3.5
  F.RO w0.3: U103.2 U103.1 116.05,90.58 116.05,90.49
  F.RO w0.79: 116.05,90.49 116.05,90.09 116.09,90.05 U87.3
/RF/PDA2/RF_OUT: length 6.5
  F.RO w0.3: 116.01,94.38 116.01,94.33 U103.6 U103.5 116.3,94.09 116.01,94.38 ; 116.01,94.38 U72.7
  F.RO w0.5: 116.01,95.96 116.01,95.54 115.99,95.52
  F.RO w0.79: 116.01,95.52 115.99,95.52 115.99,94.4 115.95,94.36 115.95,93.96 115.95,94.44 116.06,94.33
/RF/PDA2_EN_3V3: length 71.7
  F.RO w0.3: 98.21,129.27 98.18,129.24 v1(98.23,129.24) ; v1(90.71,106.89) 90.71,101.52 90.05,100.86 84.22,100.86 83.53,100.17 80.98,100.17 80.33,100.82 80.33,101.61 80.8,102.08 U28.7
  F.FR4 w0.3: v1(93.45,129.24) 93.86,128.83 97.82,128.83 v1(98.23,129.24) ; v1(97.48,139.9) 97.48,140.39 97.92,140.83 107.7,140.83 v1(107.91,141.04)
  B.FR4 w0.25: 92.08,108.26 92.08,107.27 91.7,106.89 v1(90.71,106.89)
  B.FR4 w0.3: v1(107.91,141.04) 107.89,141.02 107.89,141 ; 97.48,140.15 v1(97.48,139.9) 97.48,138.93 97.71,138.7 97.71,133.59 98.24,133.06 98.24,129.29 98.26,129.27 v1(98.23,129.24) ; 92.08,108.26 92.46,108.64 92.46,115.41 92.11,115.76 92.11,116.72 92.46,117.07 92.46,118.42 93.45,119.41 v1(93.45,129.24)
/RF/PDA2_ON\off_3V3: length 72.6
  F.RO w0.25: v1(83.54,112.55) 83.54,112.56 U73.4
  F.RO w0.3: U105.4 109.81,144.7 v1(109.8,144.71)
  F.FR4 w0.2: 86.99,108.51 86.93,108.57 v1(84.29,108.57)
  F.FR4 w0.3: 94.75,106.27 89.23,106.27 86.99,108.51 ; 94.75,106.27 94.76,106.28 ; 94.75,106.27 105.95,106.27 v1(106.1,106.42)
  B.FR4 w0.2: v1(84.29,108.57) 83.49,109.37 83.49,109.72
  B.FR4 w0.25: 83.49,109.72 83.49,112.5 v1(83.54,112.55)
  B.FR4 w0.3: 107.99,139.37 107.68,139.06 107.68,138.87 106.55,137.74 106.55,137.52 105.11,136.08 105.11,135.25 105.3,135.06 105.3,129.85 104.55,129.1 104.55,128.37 105.86,127.06 105.86,116.98 104.41,115.53 104.41,109.75 104.9,109.26 104.9,106.8 105.28,106.42 v1(106.1,106.42) ; 107.99,139.37 107.99,139.38 ; 107.99,139.37 109.8,141.18 v1(109.8,144.71)
/RF/PDA2_ON\off_5V: length 48.2
  F.RO w0.25: v1(86.41,112.27) 86.77,111.91 U73.20
  F.RO w0.5: v1(109.02,90.68) 109.01,90.67 U102.3
  F.FR4 w0.25: v1(86.41,112.27) 86.87,112.27 87.83,113.23 87.83,113.27 89.43,113.27 90.42,112.28 98.37,112.28 98.55,112.46 100.31,112.46 101.15,113.3 102.18,113.3 102.79,112.69 v1(107.66,112.69)
  B.FR4 w0.25: v1(107.66,112.69) 107.69,112.66 107.69,95.93 109.02,94.6 v1(109.02,90.68)
